# KiCad board dilemma.kicad_pcb
title: dilemma; rev: 2; company: bastardkb
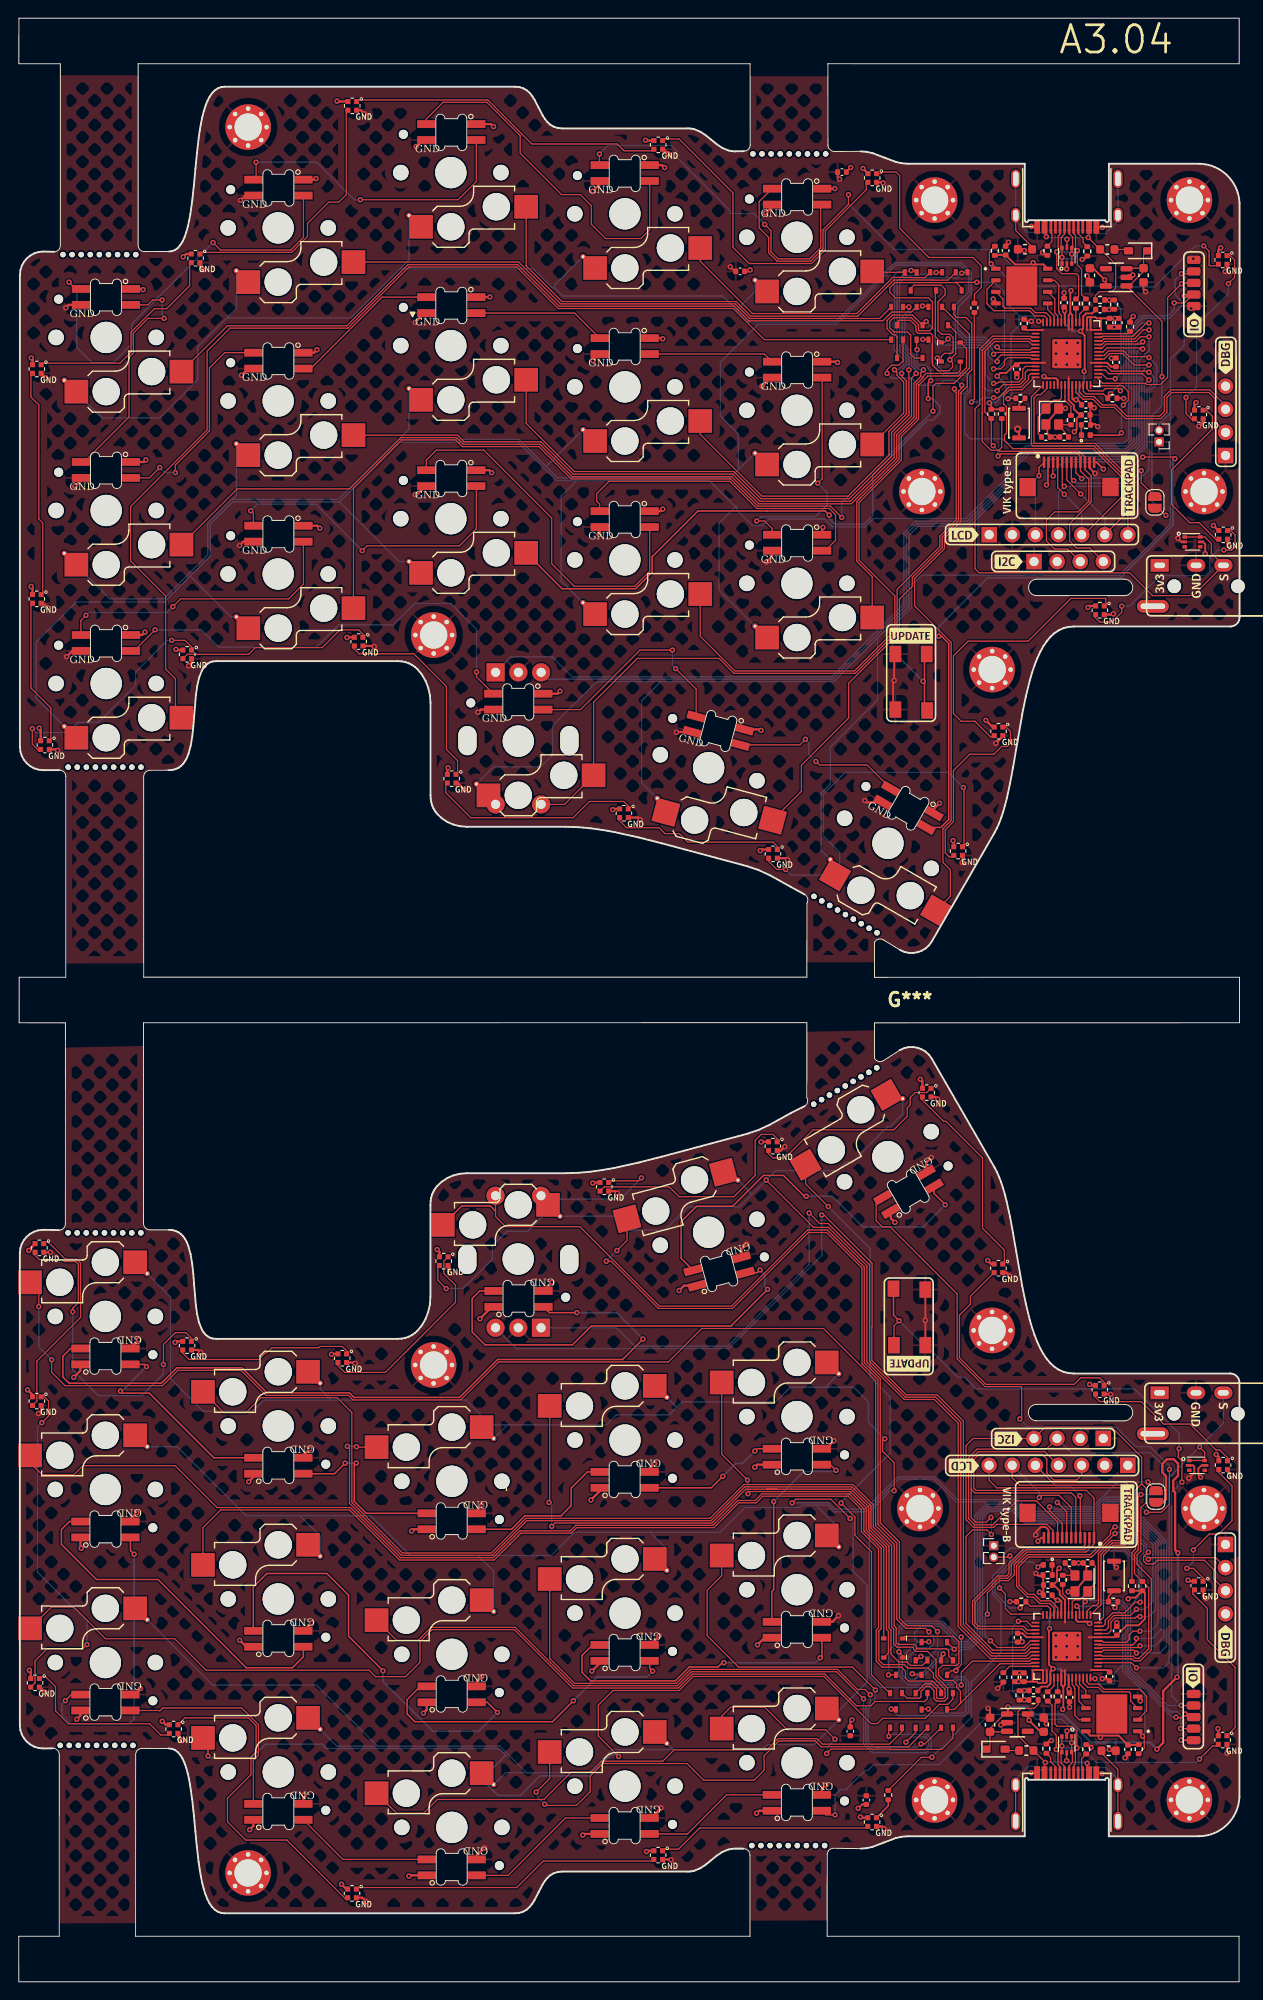
[diagram p0: board, top side]
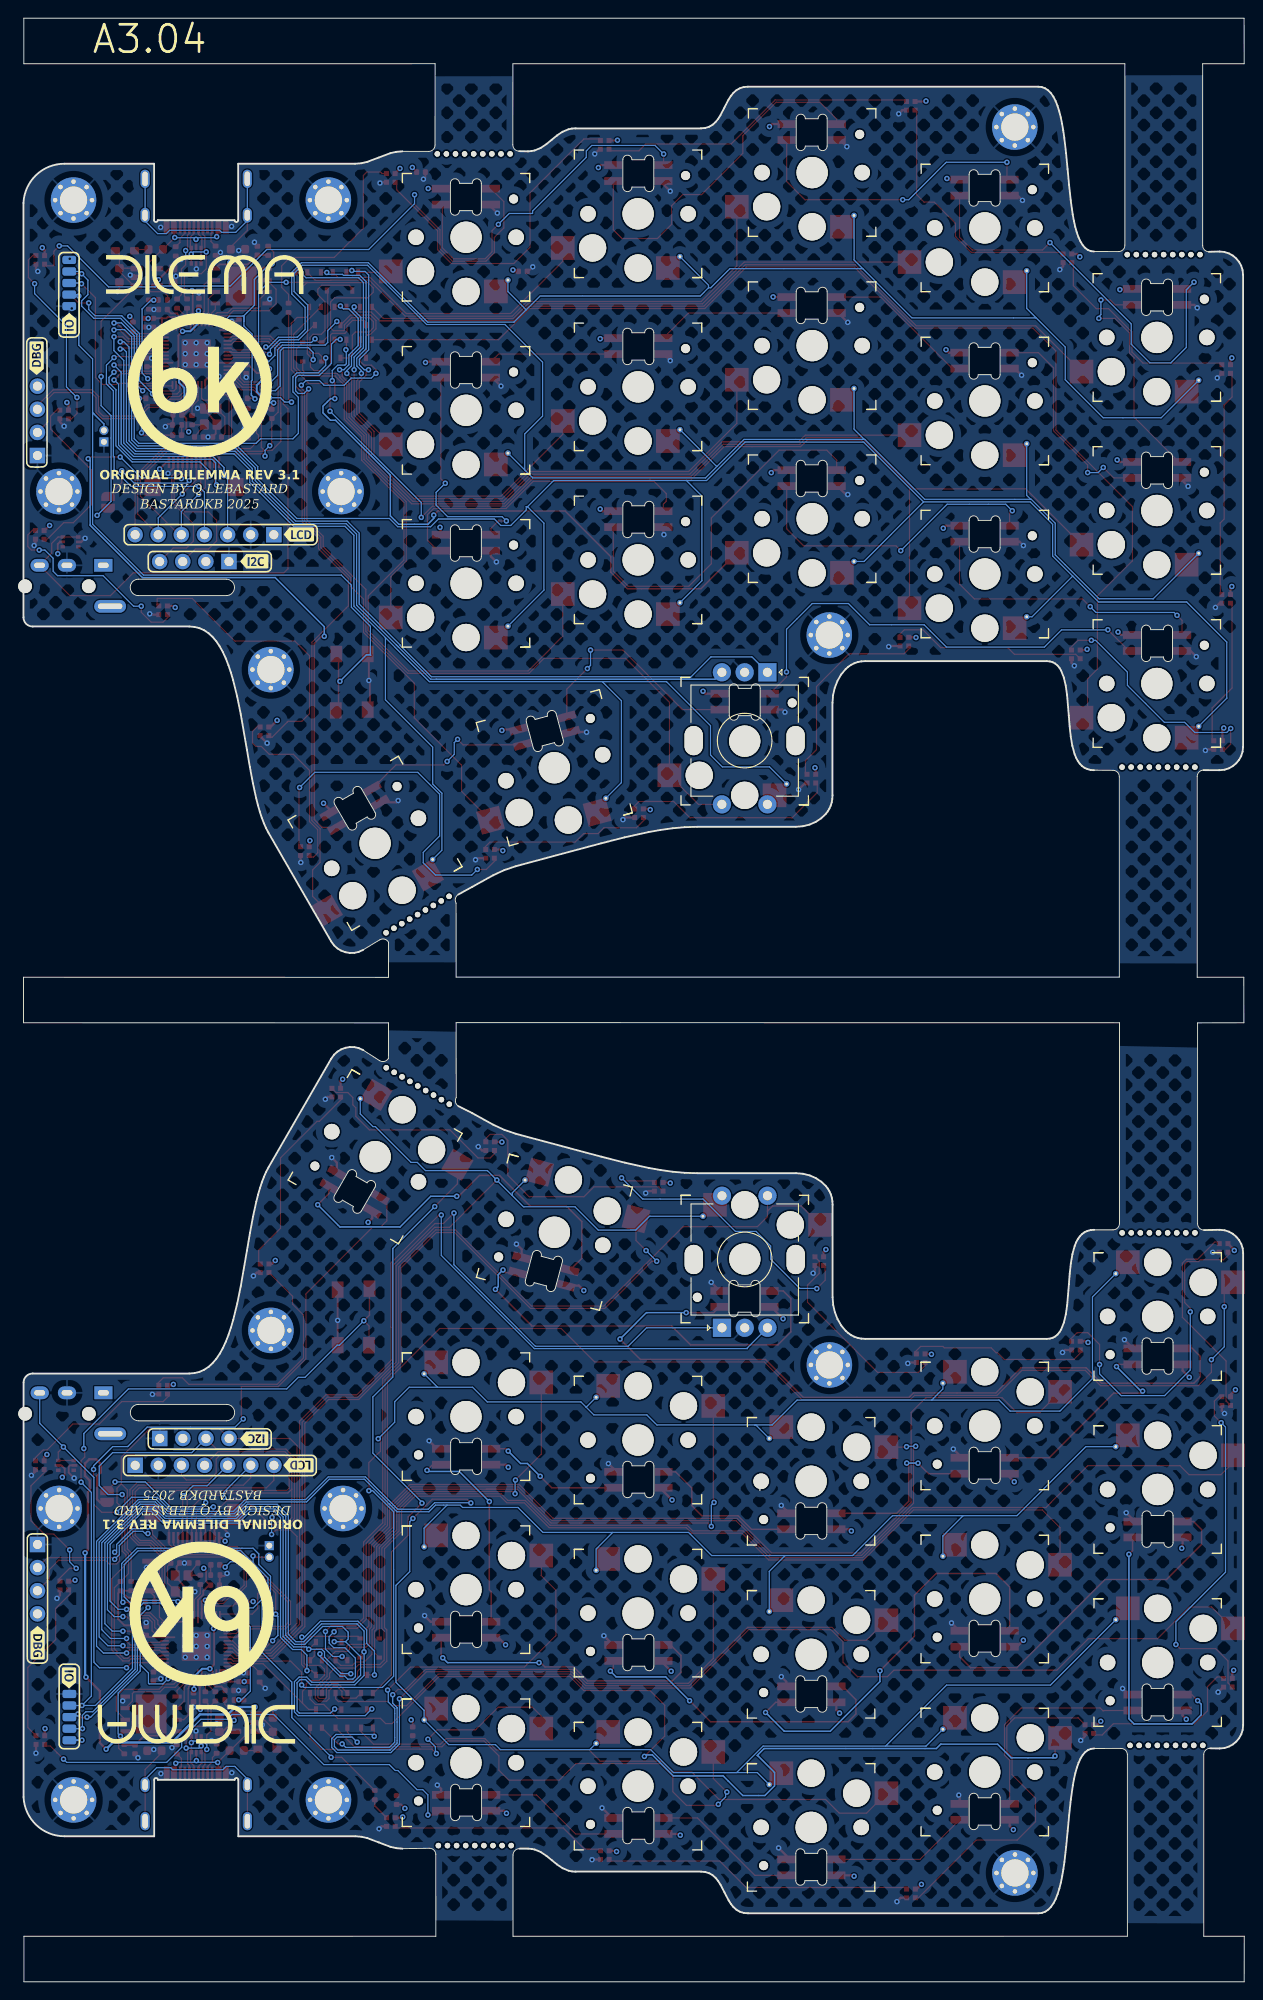
[diagram p1: board, bottom side, seen from below]

Outline 134.14 x 215.6 mm; copper layers: Top, In1.Cu, In2.Cu, Bottom. Coordinates in mm from the lower left corner of the outline.
Outline path: 0,5 4.45,5 4.45,24.94 arc(4.25,25.43) 3.75,25.64 2.69,25.62 2.16,25.67 1.68,25.82 1.25,26.06 0.88,26.37 0.56,26.75 0.33,27.18 0.17,27.66 0.12,28.19 0.12,79.99 0.17,80.53 0.33,81.01 0.56,81.44 0.88,81.81 1.25,82.12 1.68,82.36 2.16,82.51 2.69,82.57 4.42,82.54 arc(4.92,82.74) 5.12,83.24 5.13,105.29 0.04,105.3 0.05,110.3 5.17,110.3 5.17,132.34 arc(4.96,132.84) 4.47,133.04 2.7,133.03 2.17,133.08 1.69,133.24 1.26,133.48 0.89,133.79 0.57,134.16 0.34,134.59 0.18,135.07 0.13,135.61 0.13,187.41 0.18,187.94 0.34,188.42 0.57,188.85 0.89,189.22 1.26,189.54 1.69,189.78 2.17,189.93 2.7,189.98 3.87,189.95 arc(4.36,190.16) 4.57,190.65 4.57,210.6 0.01,210.6 0.02,215.6 134.1,215.6 134.1,210.6 88.91,210.6 88.92,201.68 arc(89.12,201.18) 89.62,200.98 92.5,200.98 93.18,200.93 93.83,200.78 96.36,199.82 97.02,199.67 97.69,199.62 110.55,199.62 110.55,193.42 arc(110.75,193.22) 110.95,193.42 119.39,193.42 arc(119.59,193.22) 119.79,193.42 119.79,199.62 129.64,199.62 arc(132.76,198.37) 134.14,195.31 134.14,149.81 arc(133.85,149.1) 133.14,148.81 115.94,148.81 115.35,148.76 114.8,148.63 114.29,148.4 113.81,148.08 113.37,147.68 112.96,147.2 112.58,146.64 112.24,146.01 111.92,145.32 111.62,144.57 111.35,143.77 111.1,142.92 110.66,141.11 110.27,139.2 109.59,135.29 109.26,133.39 108.93,131.59 108.57,129.94 108.37,129.18 108.17,128.47 107.95,127.81 107.73,127.21 107.49,126.67 107.24,126.19 100.34,114.24 100.02,113.81 99.65,113.47 99.23,113.21 98.77,113.05 98.29,112.96 97.8,112.97 97.31,113.08 96.82,113.3 94.99,114.41 arc(94.46,114.48) 94.03,114.15 94.03,110.29 134.14,110.3 134.13,105.3 94.03,105.29 94.04,101.39 arc(94.46,101.06) 95,101.13 96.81,102.3 97.3,102.52 97.79,102.63 98.28,102.64 98.76,102.55 99.22,102.38 99.64,102.13 100.01,101.79 100.33,101.36 107.23,89.4 107.48,88.93 107.72,88.39 107.94,87.79 108.16,87.13 108.36,86.42 108.56,85.66 108.92,84.01 109.25,82.21 109.58,80.31 110.26,76.4 110.65,74.49 111.09,72.68 111.34,71.83 111.61,71.03 111.91,70.28 112.23,69.59 112.57,68.96 112.95,68.4 113.36,67.92 113.8,67.52 114.28,67.2 114.79,66.97 115.34,66.83 115.93,66.79 133.13,66.79 arc(133.84,66.49) 134.13,65.79 134.13,20.29 arc(132.75,17.23) 129.63,15.98 119.78,15.98 119.78,22.18 arc(119.58,22.38) 119.38,22.18 110.94,22.18 arc(110.74,22.38) 110.54,22.18 110.54,15.98 97.68,15.98 97.01,15.92 96.35,15.77 93.82,14.82 93.17,14.67 92.49,14.62 89.53,14.66 arc(89.04,14.46) 88.83,13.96 88.83,5 134.09,5 134.09,0 0.01,0 0,5 ; 12.84,5 12.84,24.93 arc(13.05,25.42) 13.54,25.63 16.49,25.62 16.85,25.57 17.18,25.44 17.48,25.22 17.74,24.91 17.98,24.52 18.2,24.06 18.39,23.52 18.56,22.92 18.71,22.26 18.84,21.55 19.06,19.99 19.24,18.31 19.4,16.57 19.57,14.83 19.76,13.15 19.88,12.35 20.01,11.59 20.15,10.88 20.32,10.22 20.51,9.61 20.72,9.08 20.96,8.61 21.23,8.23 21.53,7.92 21.87,7.7 22.23,7.56 22.63,7.52 54.52,7.52 55.01,7.56 55.43,7.7 55.8,7.91 56.13,8.2 56.41,8.55 56.66,8.94 57.56,10.67 57.81,11.06 58.09,11.41 58.41,11.7 58.78,11.91 59.21,12.05 59.69,12.09 73.49,12.09 73.87,12.12 74.23,12.19 74.9,12.47 75.51,12.88 76.68,13.83 77.29,14.24 77.96,14.52 78.32,14.59 78.69,14.62 79.64,14.62 arc(80.14,14.41) 80.34,13.92 80.35,5 12.84,5 ; 13.12,190.68 13.12,210.6 80.36,210.6 80.37,201.7 arc(80.16,201.21) 79.67,201 78.7,200.98 78.33,201.01 77.97,201.08 77.3,201.36 76.69,201.77 75.52,202.72 74.91,203.13 74.24,203.41 73.88,203.48 73.5,203.51 59.7,203.51 59.22,203.55 58.79,203.69 58.42,203.9 58.1,204.19 57.82,204.54 57.57,204.93 56.67,206.66 56.42,207.05 56.14,207.4 55.81,207.69 55.44,207.9 55.02,208.04 54.53,208.08 22.64,208.08 22.24,208.04 21.88,207.9 21.54,207.68 21.24,207.37 20.97,206.98 20.73,206.52 20.52,205.98 20.33,205.38 20.16,204.72 20.02,204.01 19.89,203.25 19.77,202.45 19.58,200.77 19.41,199.03 19.25,197.29 19.07,195.61 18.85,194.05 18.72,193.34 18.57,192.68 18.4,192.08 18.21,191.54 17.99,191.08 17.75,190.69 17.49,190.38 17.19,190.16 16.86,190.03 16.5,189.98 13.82,189.98 arc(13.32,190.18) 13.12,190.68 ; 13.71,105.3 13.71,83.27 arc(13.92,82.77) 14.41,82.57 16.49,82.57 16.88,82.54 17.23,82.45 17.55,82.3 17.83,82.1 18.07,81.84 18.29,81.53 18.48,81.18 18.64,80.78 18.89,79.87 19.06,78.84 19.18,77.73 19.27,76.58 19.46,74.32 19.61,73.29 19.82,72.38 20.12,71.63 20.3,71.32 20.52,71.06 20.77,70.86 21.04,70.71 21.35,70.62 21.69,70.59 41.63,70.59 42.07,70.62 42.47,70.7 42.85,70.83 43.19,71 43.51,71.22 43.8,71.47 44.29,72.07 44.69,72.77 44.99,73.53 45.17,74.33 45.23,75.16 45.23,85.31 45.26,85.73 45.32,86.11 45.43,86.46 45.58,86.79 45.76,87.09 45.97,87.37 46.48,87.85 47.07,88.24 47.74,88.54 48.47,88.72 49.26,88.78 60.13,88.78 61.47,88.82 62.81,88.94 64.13,89.13 65.45,89.36 68.06,89.94 70.66,90.6 80.05,93.12 81.31,93.55 82.52,94.11 84.86,95.4 86.33,96.14 arc(86.66,96.56) 86.59,97.09 86.6,105.31 13.71,105.3 ; 13.73,132.32 13.73,110.31 86.6,110.31 86.61,118.43 arc(86.68,118.96) 86.35,119.39 84.87,120.2 82.53,121.49 81.32,122.05 80.06,122.48 70.67,125 68.07,125.66 65.46,126.24 64.14,126.47 62.82,126.66 61.48,126.77 60.14,126.82 49.27,126.82 48.48,126.88 47.75,127.06 47.08,127.35 46.49,127.75 45.98,128.23 45.77,128.51 45.59,128.81 45.44,129.14 45.33,129.49 45.27,129.87 45.24,130.28 45.24,140.44 45.18,141.27 45,142.07 44.7,142.83 44.3,143.52 43.81,144.12 43.52,144.38 43.2,144.59 42.86,144.77 42.48,144.9 42.08,144.98 41.64,145.01 21.7,145.01 21.36,144.98 21.05,144.89 20.78,144.74 20.53,144.54 20.31,144.28 20.13,143.97 19.83,143.22 19.62,142.31 19.47,141.28 19.28,139.02 19.19,137.87 19.07,136.75 18.9,135.73 18.65,134.82 18.49,134.42 18.3,134.06 18.08,133.76 17.84,133.5 17.56,133.3 17.24,133.15 16.89,133.06 16.5,133.03 14.43,133.02 arc(13.93,132.82) 13.73,132.32 ; 111.84,61.6 arc(110.94,62.5) 111.84,63.4 121.5,63.4 arc(122.4,62.5) 121.5,61.6 111.84,61.6 ; 111.86,154 121.51,154 arc(122.41,153.1) 121.51,152.2 111.86,152.2 arc(110.96,153.1) 111.86,154
Stack: Top 0.035mm / dielectric 1.11mm FR4 er 4.5 / In1.Cu 0.035mm / dielectric 1.51mm FR4 er 4.5 / In2.Cu 0.035mm / dielectric 1.51mm FR4 er 4.5 / Bottom 0.035mm

## Placement (name value [footprint] x y rotation side)
C1  1µ  [C_0603_1608Metric]  123.6 187.38 270 top
C2  1µ  [C_0603_1608Metric]  117.7 187.37 270 top
C3  15p  [C_0402_1005Metric]  112.86 169.62 0 top
C4  15p  [C_0402_1005Metric]  114.86 169.62 180 top
C5  1µ  [C_0402_1005Metric]  120.86 182.17 270 top
C6  1µ  [C_0402_1005Metric]  118.81 183.62 0 top
C7  100n  [C_0402_1005Metric]  114.86 184.37 90 top
C8  100n  [C_0402_1005Metric]  117.26 173.15 0 top
C9  100n  [C_0402_1005Metric]  109.66 177.07 270 top
C10  100n  [C_0402_1005Metric]  108.44 190.08 90 top
C11  100n  [C_0402_1005Metric]  119.86 182.17 270 top
C12  100n  [C_0402_1005Metric]  110.46 182.07 90 top
C13  100n  [C_0402_1005Metric]  120.56 177.82 90 top
C14  100n  [C_0402_1005Metric]  117.24 172.04 0 top
C5001  1µ  [C_0603_1608Metric]  106.72 28.22 90 top
C5002  1µ  [C_0603_1608Metric]  112.62 28.23 90 top
C5003  1µ  [C_0402_1005Metric]  109.46 33.43 90 top
C5004  1µ  [C_0402_1005Metric]  111.51 31.98 180 top
C5005  15p  [C_0402_1005Metric]  117.46 45.98 180 top
C5006  100n  [C_0402_1005Metric]  115.46 31.23 270 top
C5007  100n  [C_0402_1005Metric]  113.06 42.44 180 top
C5008  15p  [C_0402_1005Metric]  115.46 45.98 0 top
C5009  100n  [C_0402_1005Metric]  120.66 38.53 90 top
C5010  100n  [C_0402_1005Metric]  121.88 25.52 270 top
C5011  100n  [C_0402_1005Metric]  110.46 33.43 90 top
C5012  100n  [C_0402_1005Metric]  119.86 33.53 270 top
C5013  100n  [C_0402_1005Metric]  109.76 37.78 270 top
C5014  100n  [C_0402_1005Metric]  113.08 43.56 180 top
C5015  1µ  [C_0402_1005Metric]  90.46 198.7 180 top
C5016  1µ  [C_0402_1005Metric]  93.14 19.95 90 top
C5017  1µ  [C_0402_1005Metric]  79.27 187.8 180 top
C5018  1µ  [C_0402_1005Metric]  91.37 27.5 270 top
D1  LED  [LED_0402_1005Metric]  117.26 169.82 0 top
D2  B5817  [D_SOD-323]  122.99 190.06 180 top
D3  SK6805-EC15  [LED_SK6805-EC15_1.5x1.5mm_P0.6mm_handsolder(1)]  93.78 198.06 180 top
D4  SK6805-EC15  [LED_SK6805-EC15_1.5x1.5mm_P0.6mm_handsolder(1)]  37.35 147.15 180 top
D5  SK6805-EC15  [LED_SK6805-EC15_1.5x1.5mm_P0.6mm_handsolder(1)]  132.29 189.06 180 top
D7  SK6805-EC15  [LED_SK6805-EC15_1.5x1.5mm_P0.6mm_handsolder(1)]  70.27 201.69 180 top
D8  SK6805-EC15  [LED_SK6805-EC15_1.5x1.5mm_P0.6mm_handsolder(1)]  47.57 132.1 180 top
D9  SK6805-EC15  [LED_SK6805-EC15_1.5x1.5mm_P0.6mm_handsolder(1)]  82.87 123.85 180 top
D11  SK6805-EC15  [LED_SK6805-EC15_1.5x1.5mm_P0.6mm_handsolder(1)]  36.64 205.98 180 top
D12  SK6805-EC15  [LED_SK6805-EC15_1.5x1.5mm_P0.6mm_handsolder(1)]  66.5 128.31 180 top
D15  SK6805-EC15  [LED_SK6805-EC15_1.5x1.5mm_P0.6mm_handsolder(1)]  19.43 189.24 180 top
D16  SK6805-EC15  [LED_SK6805-EC15_1.5x1.5mm_P0.6mm_handsolder(1)]  103.22 124.15 180 top
D18  SK6805-EC15  [LED_SK6805-EC15_1.5x1.5mm_P0.6mm_handsolder(1)]  1.99 177.08 180 top
D19  SK6805-EC15  [LED_SK6805-EC15_1.5x1.5mm_P0.6mm_handsolder(1)]  107.66 137.3 180 top
D21  SK6805-EC15  [LED_SK6805-EC15_1.5x1.5mm_P0.6mm_handsolder(1)]  1.99 151.84 180 top
D22  SK6805-EC15  [LED_SK6805-EC15_1.5x1.5mm_P0.6mm_handsolder(1)]  118.8 150.59 180 top
D24  SK6805-EC15  [LED_SK6805-EC15_1.5x1.5mm_P0.6mm_handsolder(1)]  2.88 135.79 180 top
D25  SK6805-EC15  [LED_SK6805-EC15_1.5x1.5mm_P0.6mm_handsolder(1)]  132.35 158.87 180 top
D27  SK6805-EC15  [LED_SK6805-EC15_1.5x1.5mm_P0.6mm_handsolder(1)]  18.51 145.75 180 top
D28  SK6805-EC15  [LED_SK6805-EC15_1.5x1.5mm_P0.6mm_handsolder(1)]  129.67 172.09 180 top
D30  D_CC  [SOT-323_SC-70]  99.31 182.9 270 top
D31  D_CC  [SOT-323_SC-70]  96.51 182.9 270 top
D32  D_CC  [SOT-323_SC-70]  103.61 186.7 270 top
D33  D_CC  [SOT-323_SC-70]  100.8 186.71 270 top
D34  D_CC  [SOT-323_SC-70]  98.01 186.7 270 top
D35  D_CC  [SOT-323_SC-70]  96.51 179.3 270 top
D36  D_CC  [SOT-323_SC-70]  102.11 182.9 270 top
D37  D_CC  [SOT-323_SC-70]  99.31 179.3 270 top
D112  D  [D_SOD-323#2]  102.41 180 0 top
D115  D  [D_SOD-323#2]  102.41 177.9 0 top
D5001  LED  [LED_0402_1005Metric]  113.06 45.78 180 top
D5002  D_CC  [SOT-323_SC-70]  99.2 32.7 90 top
D5003  D_CC  [SOT-323_SC-70]  102 36.3 90 top
D5004  B5817  [D_SOD-323]  107.33 25.54 0 top
D5005  D_CC  [SOT-323_SC-70]  102 32.7 90 top
D5006  D_CC  [SOT-323_SC-70]  96.4 32.7 90 top
D5007  D_CC  [SOT-323_SC-70]  96.4 28.9 90 top
D5008  D_CC  [SOT-323_SC-70]  99.2 36.3 90 top
D5009  D  [D_SOD-323#2]  96.1 35.6 180 top
D5010  D_CC  [SOT-323_SC-70]  99.2 28.89 90 top
D5011  D  [D_SOD-323#2]  96.1 37.7 180 top
D5012  D_CC  [SOT-323_SC-70]  102 28.9 90 top
D5013  SK6805-EC15  [LED_SK6805-EC15_1.5x1.5mm_P0.6mm_handsolder(1)]  93.77 17.54 180 top
D5014  SK6805-EC15  [LED_SK6805-EC15_1.5x1.5mm_P0.6mm_handsolder(1)]  35.55 68.47 180 top
D5015  SK6805-EC15  [LED_SK6805-EC15_1.5x1.5mm_P0.6mm_handsolder(1)]  132.28 26.54 180 top
D5016  SK6805-EC15  [LED_SK6805-EC15_1.5x1.5mm_P0.6mm_handsolder(1)]  70.26 13.91 180 top
D5017  SK6805-EC15  [LED_SK6805-EC15_1.5x1.5mm_P0.6mm_handsolder(1)]  46.7 79.13 180 top
D5018  SK6805-EC15  [LED_SK6805-EC15_1.5x1.5mm_P0.6mm_handsolder(1)]  36.62 9.7 180 top
D5019  SK6805-EC15  [LED_SK6805-EC15_1.5x1.5mm_P0.6mm_handsolder(1)]  64.34 87.29 180 top
D5020  SK6805-EC15  [LED_SK6805-EC15_1.5x1.5mm_P0.6mm_handsolder(1)]  17.02 27.75 180 top
D5021  SK6805-EC15  [LED_SK6805-EC15_1.5x1.5mm_P0.6mm_handsolder(1)]  82.86 91.75 180 top
D5022  SK6805-EC15  [LED_SK6805-EC15_1.5x1.5mm_P0.6mm_handsolder(1)]  1.79 32.83 180 top
D5023  SK6805-EC15  [LED_SK6805-EC15_1.5x1.5mm_P0.6mm_handsolder(1)]  99.77 97.63 180 top
D5024  SK6805-EC15  [LED_SK6805-EC15_1.5x1.5mm_P0.6mm_handsolder(1)]  1.99 63.76 180 top
D5025  SK6805-EC15  [LED_SK6805-EC15_1.5x1.5mm_P0.6mm_handsolder(1)]  107.64 78.34 180 top
D5026  SK6805-EC15  [LED_SK6805-EC15_1.5x1.5mm_P0.6mm_handsolder(1)]  2.27 80.58 180 top
D5027  SK6805-EC15  [LED_SK6805-EC15_1.5x1.5mm_P0.6mm_handsolder(1)]  118.79 65.01 180 top
D5028  SK6805-EC15  [LED_SK6805-EC15_1.5x1.5mm_P0.6mm_handsolder(1)]  18.5 69.85 180 top
D5029  SK6805-EC15  [LED_SK6805-EC15_1.5x1.5mm_P0.6mm_handsolder(1)]  132.34 56.73 180 top
D5030  SK6805-EC15  [LED_SK6805-EC15_1.5x1.5mm_P0.6mm_handsolder(1)]  129.66 43.51 180 top
D5031  SK6812MINI  [SK6812_mini_e_corners]  85.53 196.11 0 top
D5032  SK6812MINI  [SK6812_mini_e_corners]  66.58 179.7 0 top
D5033  SK6812MINI  [SK6812_mini_e_corners]  97.8 128.97 330 top
D5034  SK6812MINI  [SK6812_mini_e_corners]  66.58 198.7 0 top
D5035  SK6812MINI  [SK6812_mini_e_corners]  85.53 177.11 0 top
D5036  SK6812MINI  [SK6812_mini_e_corners]  47.53 203.2 0 top
D5037  SK6812MINI  [SK6812_mini_e_corners]  85.53 158.11 0 top
D5038  SK6812MINI  [SK6812_mini_e_corners]  28.53 197.1 0 top
D5039  SK6812MINI  [SK6812_mini_e_corners]  66.58 160.7 0 top
D5040  SK6812MINI  [SK6812_mini_e_corners]  9.58 185.1 0 top
D5041  SK6812MINI  [SK6812_mini_e_corners]  47.53 165.2 0 top
D5042  SK6812MINI  [SK6812_mini_e_corners]  9.58 166.1 0 top
D5043  SK6812MINI  [SK6812_mini_e_corners]  28.53 159.1 0 top
D5044  SK6812MINI  [SK6812_mini_e_corners]  28.53 178.1 0 top
D5045  SK6812MINI  [SK6812_mini_e_corners]  9.58 147.1 0 top
D5046  SK6812MINI  [SK6812_mini_e_corners]  47.53 184.2 0 top
D5047  SK6812MINI  [SK6812_mini_e_corners]  54.89 140.66 0 top
D5048  SK6812MINI  [SK6812_mini_e_corners]  76.89 137.46 345 top
D5049  SK6812MINI  [SK6812_mini_e_corners]  85.5 19.55 180 top
D5050  SK6812MINI  [SK6812_mini_e_corners]  66.57 36.01 180 top
D5051  SK6812MINI  [SK6812_mini_e_corners]  97.81 86.66 210 top
D5052  SK6812MINI  [SK6812_mini_e_corners]  66.57 17.01 180 top
D5053  SK6812MINI  [SK6812_mini_e_corners]  85.5 38.55 180 top
D5054  SK6812MINI  [SK6812_mini_e_corners]  47.57 12.46 180 top
D5055  SK6812MINI  [SK6812_mini_e_corners]  85.5 57.55 180 top
D5056  SK6812MINI  [SK6812_mini_e_corners]  28.52 18.56 180 top
D5057  SK6812MINI  [SK6812_mini_e_corners]  66.57 55.01 180 top
D5058  SK6812MINI  [SK6812_mini_e_corners]  9.52 30.56 180 top
D5059  SK6812MINI  [SK6812_mini_e_corners]  47.57 50.46 180 top
D5060  SK6812MINI  [SK6812_mini_e_corners]  9.52 49.56 180 top
D5061  SK6812MINI  [SK6812_mini_e_corners]  28.52 56.56 180 top
D5062  SK6812MINI  [SK6812_mini_e_corners]  28.52 37.56 180 top
D5063  SK6812MINI  [SK6812_mini_e_corners]  9.52 68.56 180 top
D5064  SK6812MINI  [SK6812_mini_e_corners]  47.57 31.46 180 top
D5065  SK6812MINI  [SK6812_mini_e_corners]  54.91 74.88 180 top
D5066  SK6812MINI  [SK6812_mini_e_corners]  76.99 77.9 195 top
F1  Polyfuse  [Fuse_0603_1608Metric]  119.61 190.21 0 top
F5001  Polyfuse  [Fuse_0603_1608Metric]  110.71 25.39 180 top
FB1  FerriteBead_Small  [L_0603_1608Metric]  110.57 190.23 0 top
FB5001  FerriteBead_Small  [L_0603_1608Metric]  119.75 25.37 180 top
G51  -  [LOGO]  121.47 169.96 0 top
G***  -  [LOGO]  108.7 164.2 0 top
G***#2  -  [LOGO]  97.92 107.83 0 top
G***#3  -  [LOGO]  121.4 45.67 0 top
G***#4  -  [LOGO]  108.44 51.28 180 top
G***#5  -  [LOGO]  115.15 28.28 0 bottom
G***#6  -  [LOGO]  113.84 174.75 180 bottom
G***#7  -  [LOGO]  117.83 172.35 180 bottom
G***#8  -  [LOGO]  114.21 187.46 180 bottom
G***#9  -  [LOGO]  115.5 40.95 0 bottom
G***#10  -  [LOGO]  117.85 43.16 180 bottom
H101  NA_M4  [MountingHole_3mm_Pad_Via]  25.21 203.65 0 top
H102  NA_M4  [MountingHole_3mm_Pad_Via]  106.96 144.08 0 top
H104  NA_M4  [MountingHole_3mm_Pad_Via]  45.6 147.87 0 top
H105  NA_M4  [MountingHole_3mm_Pad_Via]  128.64 195.63 0 top
H106  NA_M4  [MountingHole_3mm_Pad_Via]  99.24 163.63 0 top
H107  NA_M4  [MountingHole_3mm_Pad_Via]  130.24 163.63 0 top
H108  NA_M4  [MountingHole_3mm_Pad_Via]  100.64 195.63 0 top
H5001  NA_M4  [MountingHole_3mm_Pad_Via]  25.2 11.95 0 bottom
H5002  NA_M4  [MountingHole_3mm_Pad_Via]  106.95 71.52 0 bottom
H5003  NA_M4  [MountingHole_3mm_Pad_Via]  45.59 67.73 0 bottom
H5004  NA_M4  [MountingHole_3mm_Pad_Via]  128.63 19.97 0 bottom
H5005  NA_M4  [MountingHole_3mm_Pad_Via]  99.03 51.97 180 top
H5006  NA_M4  [MountingHole_3mm_Pad_Via]  130.23 51.97 0 bottom
H5007  NA_M4  [MountingHole_3mm_Pad_Via]  100.63 19.97 0 bottom
H5008  NA_M4  [mousebite]  8.86 189.64 0 top
H5009  NA_M4  [mousebite]  9.43 133.37 180 top
H5010  NA_M4  [mousebite]  90.84 117.18 150 top
H5011  NA_M4  [mousebite]  84.55 14.95 180 top
H5012  NA_M4  [mousebite]  8.55 25.95 180 top
H5013  NA_M4  [mousebite]  90.81 98.36 30 top
H5014  NA_M4  [mousebite]  9.42 82.23 0 top
H5015  NA_M4  [mousebite]  84.67 200.7 0 top
J1  USB_C_Receptacle_USB2.0  [USB_C_Receptacle_HRO_TYPE-C-31-M-13B]  115.16 200.07 180 top
J3  NA_GC9A01  [PinHeader_1x07_P2.54mm_Vertical]  106.63 158.89 90 top
J4  Conn_01x05  [PinHeader_1x05_P1.27mm_Vertical_SMD]  129.11 189.08 0 top
J5  NA_Conn_01x02  [PinHeader_1x02_P1.27mm_Vertical]  125.3 169.08 180 top
J102  NA_serial  [Jack_3.5mm_PJ320E_Horizontal]  125.37 155.53 270 top
J105  NA_Conn_01x04_Female  [PinHeader_1x04_P2.54mm_Vertical_debug]  132.61 175.2 0 top
J113  Cirque  [FPC-SMD_FPC05012-09200-.5mm]  115.41 165.48 0 top
J5001  USB_C_Receptacle_USB2.0  [USB_C_Receptacle_HRO_TYPE-C-31-M-13B]  115.16 15.53 0 top
J5002  NA_Conn_01x02  [PinHeader_1x02_P1.27mm_Vertical]  107.13 47.89 0 top
J5003  NA_serial  [Jack_3.5mm_PJ320E_Horizontal]  125.36 64.67 270 top
J5004  NA_GC9A01  [PinHeader_1x07_P2.54mm_Vertical]  121.86 56.71 270 top
J5005  NA_Conn_01x04_Female  [PinHeader_1x04_P2.54mm_Vertical_debug]  132.6 40.4 0 bottom
J5007  Cirque  [FPC-SMD_FPC05012-09200-.5mm]  115.4 50.12 180 top
J5008  Conn_01x05  [PinHeader_1x05_P1.27mm_Vertical_SMD]  129.1 26.52 180 top
J5009  Conn_01x05  [PinHeader_1x05_P1.27mm_Vertical_SMD]  129.1 26.52 0 bottom
J5010  Conn_01x05  [PinHeader_1x05_P1.27mm_Vertical_SMD]  129.11 189.06 180 bottom
NA_JP5003  NA_Jumper_2_Open  [SolderJumper-2_P1.3mm_Open_RoundedPad1.0x1.5mm]  124.95 53.28 90 top
NA_JP5004  NA_Jumper_2_Open  [SolderJumper-2_P1.3mm_Open_RoundedPad1.0x1.5mm]  124.84 162.44 90 top
O101  NA_OLED  [PinHeader_1x04_P2.54mm_Vertical]  111.56 155.94 90 top
O5001  NA_OLED  [PinHeader_1x04_P2.54mm_Vertical]  119.17 59.66 270 top
R1  1k  [R_0402_1005Metric]  117.26 170.94 180 top
R2  10k  [R_0402_1005Metric]  120.16 173.87 0 top
R3  1k  [R_0402_1005Metric]  110.06 173.87 180 top
R4  5.1k  [R_0402_1005Metric]  117.41 190 270 top
R5  5.1k  [R_0402_1005Metric]  113.03 190.07 270 top
R6  27  [R_0402_1005Metric]  116.16 184.27 270 top
R7  27  [R_0402_1005Metric]  117.26 184.27 270 top
R8  1k  [R_0402_1005Metric]  115.61 171.47 90 top
R9  10k  [R_0402_1005Metric]  107.26 190.06 270 top
R10  5.1k  [R_0402_1005Metric]  118.81 184.67 180 top
R11  10k  [R_0402_1005Metric]  120.36 184.16 90 top
R101  5.1k  [R_0402_1005Metric_nolabel]  122.11 181.72 90 top
R103  4.7k  [R_0402_1005Metric_nolabel]  108.01 172.15 90 top
R104  4.7k  [R_0402_1005Metric_nolabel]  106.86 172.15 270 top
R5001  1k  [R_0402_1005Metric]  113.06 44.66 0 top
R5002  10k  [R_0402_1005Metric]  110.16 41.73 180 top
R5003  1k  [R_0402_1005Metric]  120.26 41.73 0 top
R5004  5.1k  [R_0402_1005Metric]  117.29 25.53 90 top
R5005  5.1k  [R_0402_1005Metric]  112.91 25.6 90 top
R5006  27  [R_0402_1005Metric]  114.16 31.33 90 top
R5007  27  [R_0402_1005Metric]  113.06 31.33 90 top
R5008  1k  [R_0402_1005Metric]  114.71 44.13 270 top
R5009  5.1k  [R_0402_1005Metric]  111.51 30.93 0 top
R5010  10k  [R_0402_1005Metric]  109.96 31.44 270 top
R5011  10k  [R_0402_1005Metric]  123.06 25.54 90 top
R5012  5.1k  [R_0402_1005Metric_nolabel]  108.19 33.43 270 top
R5013  4.7k  [R_0402_1005Metric_nolabel]  122.31 43.45 270 top
R5014  4.7k  [R_0402_1005Metric_nolabel]  123.46 43.45 90 top
R5015  330  [R_0402_1005Metric]  95.54 20.5 270 top
R5016  330  [R_0402_1005Metric]  105.01 183.8 90 top
SW1  SW_Push  [SW_SPST_CK_KXT3]  109.91 171.14 90 top
SW101  NA_SW_Push  [Kailh_socket_PG1350]  9.61 180.55 0 bottom
SW102  NA_SW_Push  [Kailh_socket_PG1350]  9.61 161.55 0 bottom
SW103  NA_SW_Push  [Kailh_socket_PG1350]  9.61 142.55 0 bottom
SW104  NA_SW_Push  [Kailh_socket_PG1350]  28.51 192.57 0 bottom
SW105  NA_SW_Push  [Kailh_socket_PG1350]  28.51 173.57 0 bottom
SW106  NA_SW_Push  [Kailh_socket_PG1350]  28.51 154.57 0 bottom
SW107  NA_SW_Push  [Kailh_socket_PG1350]  47.48 198.65 0 bottom
SW108  NA_SW_Push  [Kailh_socket_PG1350]  47.48 179.65 0 bottom
SW109  NA_SW_Push  [Kailh_socket_PG1350]  47.48 160.65 0 bottom
SW112  NA_SW_Push  [Kailh_socket_PG1350]  66.61 194.12 0 bottom
SW113  NA_SW_Push  [Kailh_socket_PG1350]  66.61 175.12 0 bottom
SW114  NA_SW_Push  [Kailh_socket_PG1350]  66.61 156.12 0 bottom
SW115  NA_SW_Push  [Kailh_socket_PG1350]  85.51 191.55 0 bottom
SW116  NA_SW_Push  [Kailh_socket_PG1350]  85.51 172.55 0 bottom
SW117  NA_SW_Push  [Kailh_socket_PG1350]  85.51 153.55 0 bottom
SW118  NA_SW_Push  [Kailh_socket_PG1350]  75.81 133.3 345 bottom
SW119  NA_SW_Push  [Kailh_socket_PG1350]  95.51 125 330 bottom
SW3001  NA_SW_Push  [Kailh_socket_PG1350]  54.89 136.22 0 bottom
SW3002  NA_RotaryEncoder_Switch  [RotaryEncoder_Alps_EC11E-Switch_Vertical_H20mm_roundholes]  57.4 128.78 90 bottom
SW5001  SW_Push  [SW_SPST_CK_KXT3]  120.35 44.56 270 top
SW5002  NA_SW_Push  [Kailh_socket_PG1350]  9.52 35.05 180 bottom
SW5003  NA_SW_Push  [Kailh_socket_PG1350]  9.52 54.05 180 bottom
SW5004  NA_SW_Push  [Kailh_socket_PG1350]  9.52 73.05 180 bottom
SW5005  NA_SW_Push  [Kailh_socket_PG1350]  75.8 82.3 195 bottom
SW5006  NA_SW_Push  [Kailh_socket_PG1350]  28.52 23.03 180 bottom
SW5007  NA_SW_Push  [Kailh_socket_PG1350]  28.52 42.03 180 bottom
SW5008  NA_SW_Push  [Kailh_socket_PG1350]  28.52 61.03 180 bottom
SW5009  NA_SW_Push  [Kailh_socket_PG1350]  95.5 90.6 210 bottom
SW5010  NA_SW_Push  [Kailh_socket_PG1350]  47.59 16.95 180 bottom
SW5011  NA_SW_Push  [Kailh_socket_PG1350]  47.59 35.95 180 bottom
SW5012  NA_SW_Push  [Kailh_socket_PG1350]  47.59 54.95 180 bottom
SW5013  NA_SW_Push  [Kailh_socket_PG1350]  54.88 79.36 180 bottom
SW5014  NA_SW_Push  [Kailh_socket_PG1350]  66.62 21.48 180 bottom
SW5015  NA_SW_Push  [Kailh_socket_PG1350]  66.62 40.48 180 bottom
SW5016  NA_SW_Push  [Kailh_socket_PG1350]  66.62 59.48 180 bottom
SW5017  NA_SW_Push  [Kailh_socket_PG1350]  85.52 24.05 180 bottom
SW5018  NA_SW_Push  [Kailh_socket_PG1350]  85.52 43.05 180 bottom
SW5019  NA_SW_Push  [Kailh_socket_PG1350]  85.52 62.05 180 bottom
SW5020  NA_RotaryEncoder_Switch  [RotaryEncoder_Alps_EC11E-Switch_Vertical_H20mm_roundholes]  52.39 86.81 270 bottom
SW5021  SW_SPST  [PushSwitch]  97.92 73 90 top
SW5022  SW_SPST  [PushSwitch]  98.02 142.69 270 top
U1  RP2040  [QFN-56-1EP_7x7mm_P0.4mm_EP3.2x3.2mm]  115.16 178.77 0 top
U2  W25Q128JVS  [W25Q128JVPIQ]  110.22 186.19 0 top
U3  XC6210B332MR-G  [SOT-23-5]  120.59 187.15 180 top
U4  USBLC6-2P6  [SOT-666]  115.17 189.52 90 top
U5001  XC6210B332MR-G  [SOT-23-5]  109.73 28.45 0 top
U5002  RP2040  [QFN-56-1EP_7x7mm_P0.4mm_EP3.2x3.2mm]  115.16 36.83 180 top
U5003  USBLC6-2P6  [SOT-666]  115.15 26.08 270 top
U5004  W25Q128JVS  [W25Q128JVPIQ]  120.1 29.41 180 top
U5005  USBLC6-2P6  [SOT-666]  128.97 158.1 0 top
U5006  USBLC6-2P6  [SOT-666]  129.47 56.7 0 top
Y1  Crystal_GND24  [Crystal_SMD_2520-4Pin_2.5x2.0mm]  113.56 171.87 270 top
Y5001  Crystal_GND24  [Crystal_SMD_2520-4Pin_2.5x2.0mm]  116.76 43.73 90 top

## Library data of the parts
C1 C2 C5001 C5002 = -: LCSC: C19666; ki_fp_filters: C_*
C3 C4 C5005 C5008 = -: LCSC: C1548; ki_fp_filters: C_*
C5 C6 C5003 C5004 C5015-C5018 = -: LCSC: C52923; ki_fp_filters: C_*
C7-C14 C5006 C5007 C5009-C5014 = -: LCSC: C1525; ki_fp_filters: C_*
D1 D5001 = -: LCSC: C130719; ki_fp_filters: LED* LED_SMD:* LED_THT:*
D2 D5004 = -: LCSC: C123899; ki_fp_filters: TO-???* *_Diode_* *SingleDiode* D_*
D3-D5 D7-D9 D11 D12 D15 D16 D18 D19 D21 D22 D24 D25 D27 D28 D5013-D5030 = -: Datasheet: https://datasheet.lcsc.com/lcsc/2108251530_OPSCO-Optoelectronics-SK6805-EC15_C2890035.pdf; MFN: Dongguan Opsco Optoelectronics; LCSC: C2890035; ki_fp_filters: LED*WS2812*PLCC*5.0x5.0mm*P3.2mm*
D112 D115 D5009 D5011 = -: ki_fp_filters: TO-???* *_Diode_* *SingleDiode* D_*
D5031-D5066 = -: Datasheet: https://cdn-shop.adafruit.com/product-files/2686/SK6812MINI_REV.01-1-2.pdf; ki_fp_filters: LED*SK6812MINI*PLCC*3.5x3.5mm*P1.75mm*
F1 F5001 = -: LCSC: C69679; ki_fp_filters: *polyfuse* *PTC*
FB1 FB5001 = -: LCSC: C98288; ki_fp_filters: Inductor_* L_* *Ferrite*
H101 H102 H104-H108 H5001-H5015 = -: ki_fp_filters: MountingHole*Pad*
J1 J5001 = -: Datasheet: https://www.usb.org/sites/default/files/documents/usb_type-c.zip; LCSC: C2848619; ki_fp_filters: USB*C*Receptacle*
J4 J5 J105 J113 J5002 J5005 J5007-J5010 O101 O5001 = -: ki_fp_filters: Connector*:*_1x??_*
J102 J5003 = -: ki_fp_filters: Jack*
NA_JP5003 NA_JP5004 = -: ki_fp_filters: Jumper* TestPoint*2Pads* TestPoint*Bridge*
R1 R3 R8 R5001 R5003 R5008 R5015 R5016 = -: LCSC: C11702; ki_fp_filters: R_*
R2 R9 R11 R5002 R5010 R5011 = -: LCSC: C25744; ki_fp_filters: R_*
R4 R5 R10 R5004 R5005 R5009 = -: LCSC: C25905; ki_fp_filters: R_*
R6 R7 R5006 R5007 = -: LCSC: C25100; ki_fp_filters: R_*
R101 R5012 = -: JLCPCB BOM: 1; JLCPCB Part: C26033; ki_fp_filters: R_*
R103 R104 R5013 R5014 = -: LCSC: C269746; ki_fp_filters: R_*
SW1 SW5001 = -: LCSC: C319433; Field5: R
SW3002 SW5020 = -: ki_fp_filters: RotaryEncoder*Switch*
U1 U5002 = -: LCSC: C2040
U2 U5004 = -: Datasheet: http://www.winbond.com/resource-files/w25q128jv_dtr%20revc%2003272018%20plus.pdf; ki_fp_filters: SOIC*5.23x5.23mm*P1.27mm*
U3 U5001 = -: LCSC: C82942; LCSC2: C47719; ki_fp_filters: SOT?23?5*
U4 U5003 U5005 U5006 = -: Datasheet: https://www.st.com/resource/en/datasheet/usblc6-2.pdf; ki_fp_filters: SOT?666*
Y1 Y5001 = -: LCSC: C2149204; ki_fp_filters: Crystal*
